# KiCad board SignalSnagger.kicad_pcb (continued)
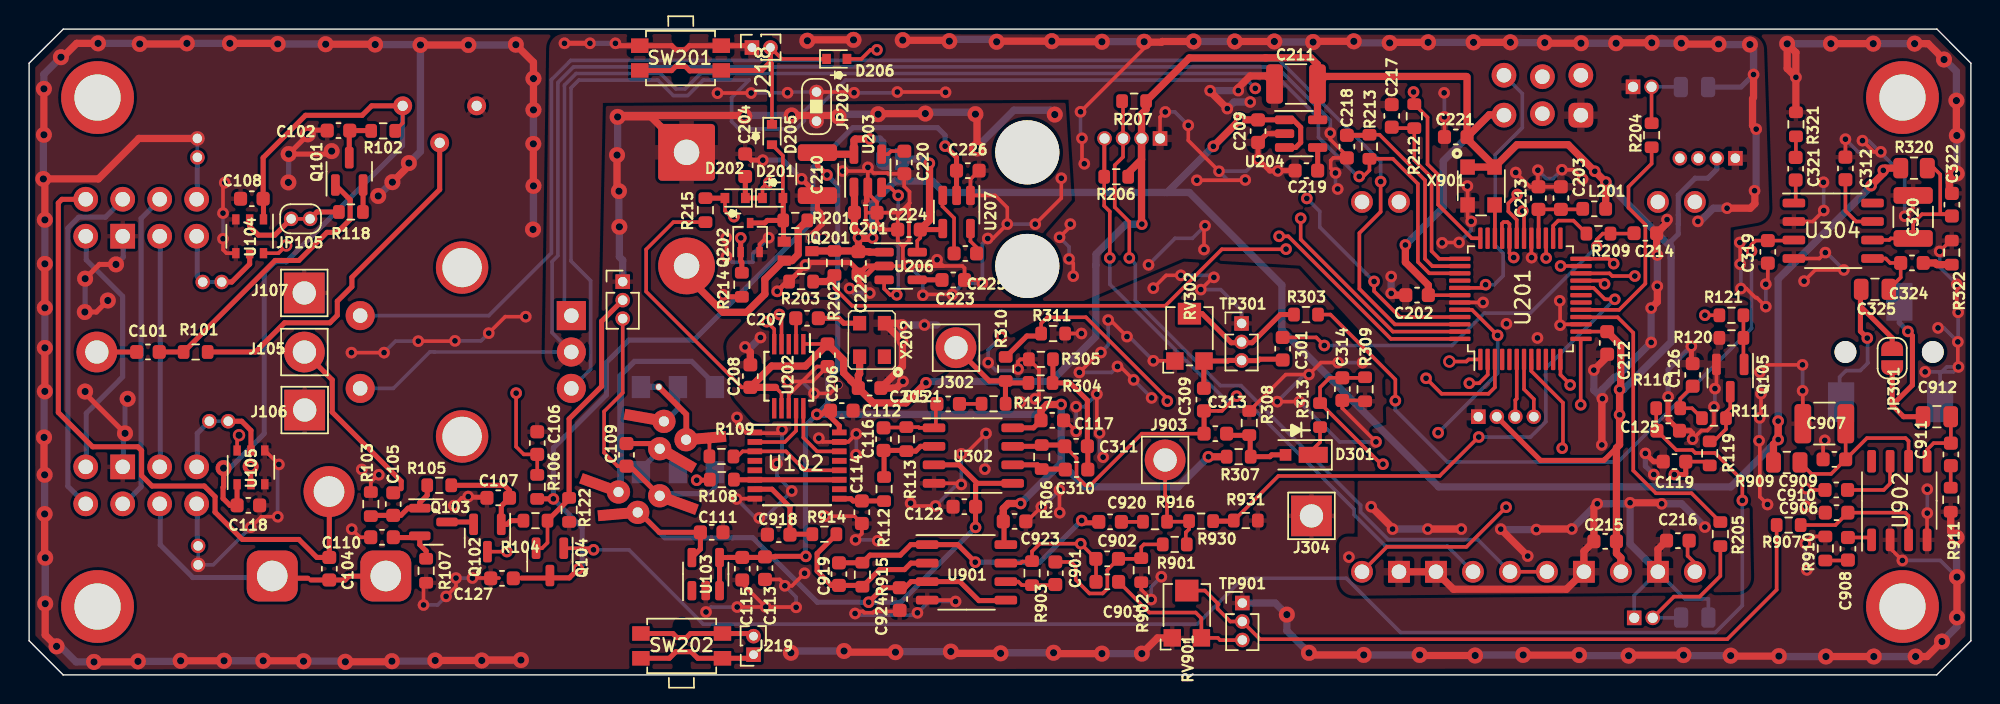
[diagram p0: board, top side]
## Library data of the parts (continued)
U203 U206 = -: Description: IC REG LINEAR 5.0V 150MA SOT23-5; Digi-Key Part No.: 296-20717-1-ND; Link: https://www.digikey.com/short/pr7whwn5; Manufacturer: Texas Instruments; Manufacturer PN: LP2985-50DBVR
U204 = -: Description: IC REG LINEAR 3.3V 150MA SOT23-5; Digi-Key Part No.: 296-18476-1-ND; Link: https://www.digikey.com/en/products/detail/texas-instruments/LP2985-33DBVR/809759; Manufacturer: Texas Instruments; Manufacturer PN: LP2985-33DBVR
U205 = -: Description: LCD MOD 40DIG 10X4 TRANSFLECTIVE; Digi-Key Part No.: 1481-1233-ND; Link: https://www.digikey.com/en/products/detail/display-visions/ea-dogs104w-a/8021520; Manufacturer: Display Visions; Manufacturer PN: EA DOGS104W-A
U207 = -: Description: IC REG CHARGE PUMP 2VIN SOT23-5; Digi-Key Part No.: MAX1683EUK+TCT-ND; Link: https://www.digikey.com/en/products/detail/analog-devices-inc-maxim-integrated/MAX1683EUK-T/1517985; Manufacturer: Analog Devices Inc./Maxim Integrated; Manufacturer PN: MAX1683EUK+T
U302 U901 = -: Description: IC CMOS 2 CIRCUIT 8SOIC; Digi-Key Part No.: 497-6618-1-ND; Link: https://www.digikey.com/en/products/detail/stmicroelectronics/TS912IDT/1040339?s=N4IgTCBcDaICoGUCcBGMBJAInEBdAvkA; Manufacturer: STMicroelectronics
U304 U902 = -: Description: IC AMP CLASS AB MONO 325MW 8SOIC; Digi-Key Part No.: LM386MX-1/NOPBCT-ND; Link: https://www.digikey.com/en/products/detail/texas-instruments/LM386MX-1-NOPB/212680; Manufacturer: Texas Instruments; Manufacturer PN: LM386MX-1/NOPB
X202 = -: Description: XTAL OSC TCXO 25.0000MHZ SNWV; Digi-Key Part No.: 1664-1273-1-ND; Link: https://www.digikey.com/products/en?keywords=1664-1273-1-ND; Manufacturer: Taitien; Manufacturer PN: TXETCLSANF-25.000000
X901 = -: Description: OSC TCXO 32.768KHZ 3.0V SMD; Digi-Key Part No.: 50-ECS-327TXO-30-CT-ND; Manufacturer: ECS Inc.

## Footprints (pads in the part's own frame, mm; a bottom-side part is the same pattern mirrored in y, then rotated)
69830-008LF
  round 1.7 hole 1: 1(0,0)
  oval 1.7x1.7 hole 1: 2(2.54,0) 4(2.54,-2.54) 5(0,-5.08) 6(2.54,-5.08) 7(0,-7.62) 8(2.54,-7.62)
  rect 1.7x1.7 hole 1: 3(0,-2.54)
69830-008LF#2
  round 1.7 hole 1: 1(0,0)
  oval 1.7x1.7 hole 1: 2(2.54,0) 3(0,-2.54) 5(0,-5.08) 6(2.54,-5.08) 7(0,-7.62) 8(2.54,-7.62)
  rect 1.7x1.7 hole 1: 4(2.54,-2.54)
C_0603_1608Metric
  rrect 0.9x0.95 smd: 1(-0.775,0) 2(0.775,0)
C_0805_2012Metric
  rrect 1x1.45 smd: 1(-0.95,0) 2(0.95,0)
C_1210_3225Metric
  rrect 1.15x2.7 smd: 1(-1.475,0) 2(1.475,0)
Coilcraft-PWB-4-CLC
  round 1.6 hole 0.7: 1(-1.43,1.82) 2(-6.42,-1.5) 2(-0.17,0.3) 3(-5.02,-2.82) 4(-5.28,0.01) 6(-2.05,0.01)
  rect 0.75x3 smd far side rot 5: 1(-1.33,3.07) 2(-6.52,-2.74)
  rect 1.837x0.395 smd far side: 1(-0.519,1.838)
  rect 0.403x2.892 smd far side rot 135: 1(1.28,0.87)
  rect 1.52x1.27 smd: 1(2.19,-1.28) 2(2.19,1.26) 3(2.19,3.8) 4(-3.66,3.8) 5(-3.66,1.26) 6(-3.66,-1.28)
  round 0.5 hole 0.4: 1(2.19,-0.05)
  rect 0.43x1.49 smd: 1(2.205,-0.765)
  rect 0.75x3 smd far side rot 170: 2(0.06,-0.94)
  rect 0.37x1.529 smd rot 45: 2(0.19,0.75) 3(3.46,-2.21) 6(-2.96,-0.78)
  rect 1.955x0.352 smd: 2(1.577,1.246)
  rect 0.75x3 smd far side rot 160: 3(-4.59,-3.99) 4(-5.73,1.16)
  rect 7.875x0.465 smd: 3(-0.877,-2.673)
  rect 0.352x1.955 smd rot 135: 3(3.32,2.84)
  rect 0.362x4.09 smd: 3(3.951,0.225)
  rect 0.37x3.078 smd: 4(-5.135,1.878)
  rect 0.292x0.811 smd rot 45: 4(-4.93,3.6)
  rect 1.529x0.37 smd: 4(-3.982,3.805)
  rect 0.75x3 smd far side rot 150: 6(-2.65,1.09)
Crystal_SMD_TXETCLSANF-4Pin
  rect 1x0.9 smd: 1(-1.15,-0.85) 2(1.15,-0.85) 3(1.15,0.85) 4(-1.15,0.85)
D_SOD-523
  rect 0.6x0.7 smd: 1(-0.7,0) 2(0.7,0)
DO-219AD
  rect 2x1.1 smd: 1(-1,0)
  rect 0.8x0.8 smd: 2(0.9,0)
EA_DOGS104X-A
  round 1.5 hole 1: 1(0,0) 2(0,-2.54) 9(0,-20.32) 10(0,-22.86) 11(25.4,-22.86) 13(25.4,-17.78) 15(25.4,-12.7) 16(25.4,-10.16) 17(25.4,-7.62) 20(25.4,0)
  rect 1.5x1.5 hole 1: 12(25.4,-20.32) 14(25.4,-15.24) 18(25.4,-5.08) 19(25.4,-2.54)
Jumper_THT-1x02_Bridged_Circular
  round 1 hole 0.65: 1(-0.65,0) 2(0.65,0)
Jumper_THT-1x02_Bridged_Circular#2
  round 1 hole 0.65: 1(-1,0) 2(1,0)
L_0603_1608Metric
  rrect 0.875x0.95 smd: 1(-0.787,0) 2(0.787,0)
LED_0805_2012Metric
  rrect 0.975x1.4 smd: 1(-0.938,0) 2(0.938,0)
MountingHole_3.2mm_M3
  round 5 hole 3.175: (0,0)
MSOP-10_3x3mm_P0.5mm
  rect 1.4x0.3 smd: 1(-2.2,1) 2(-2.2,0.5) 3(-2.2,0) 4(-2.2,-0.5) 5(-2.2,-1) 6(2.2,-1) 7(2.2,-0.5) 8(2.2,0) 9(2.2,0.5) 10(2.2,1)
Oscillator_SMD_ECS_327TXO
  rect 1x1.05 smd: 1(-0.925,1.3) 2(-0.925,-1.3) 3(0.925,-1.3) 4(0.925,1.3)
Pin_D1.6mm_L8.5mm_W2.8mm_FlatFork
  round 2.8 hole 1.6: 1(0,0)
Pin_D1.6mm_L8.5mm_W2.8mm_FlatFork#2
  rect 2.8x2.8 hole 1.6: 1(0,0)
PinHeader_1x03_P1.27mm_Vertical
  rect 1x1 hole 0.65: 1(0,0)
  oval 1x1 hole 0.65: 2(0,-1.27) 3(0,-2.54)
PinHeader_1x04_P1.27mm_Vertical
  rect 1x1 hole 0.65: 1(0,0)
  oval 1x1 hole 0.65: 2(0,-1.27) 3(0,-2.54) 4(0,-3.81)
PinHeader_2x03_P2.54mm_Vertical
  round 1.7 hole 1: 1(-0.1,0.1)
  oval 1.7x1.7 hole 1: 2(2.64,0.1) 3(0,-2.54) 4(2.54,-2.54) 5(-0.1,-5.18)
  rrect 1.7x1.7 hole 1: 6(2.64,-5.18)
PinSocket_1x02_P1.27mm_Vertical
  rect 1x1 hole 0.6: 1(0,0)
  oval 1x1 hole 0.6: 2(0,-1.27)
PinSocket_1x02_P1.27mm_Vertical#2
  rect 1x1 hole 0.7: 1(0,0)
  oval 1x1 hole 0.7: 2(0,-1.27)
PinSocket_1x04_P1.27mm_Vertical
  rect 1x1 hole 0.7: 1(0,0)
  oval 1x1 hole 0.7: 2(0,-1.27) 3(0,-2.54) 4(0,-3.81)
Potentiometer_Bourns_3362P_Vertical
  round 1.3 hole 0.7: 1(0,0) 2(2.54,2.54) 3(0,5.08)
Potentiometer_Bourns_TC33X_Vertical
  rect 1.2x1.2 smd: 1(-1.8,1) 3(-1.8,-1)
  rect 1.5x1.6 smd: 2(1.45,0)
R_0603_1608Metric
  rrect 0.8x0.95 smd: 1(-0.825,0) 2(0.825,0)
R_0805_2012Metric
  rrect 1.025x1.4 smd: 1(-0.912,0) 2(0.912,0)
RotaryEncoder_Bourns_PEC12R-Switch_Vertical_CircularMountingHoles
  rect 2x2 hole 1: A(-7.5,2.5)
  round 2 hole 1: B(-7.5,-2.5) C(-7.5,0) S1(7,2.5) S2(7,-2.5)
  round 3.6 hole 2.7: MP(0,-5.8) MP(0,5.8)
SO-8_3.9x4.9mm_P1.27mm
  rrect 1.55x0.6 smd: 1(-2.7,1.905) 2(-2.7,0.635) 3(-2.7,-0.635) 4(-2.7,-1.905) 5(2.7,-1.905) 6(2.7,-0.635) 7(2.7,0.635) 8(2.7,1.905)
SOIC-8_3.9x4.9mm_P1.27mm
  rrect 1.55x0.6 smd: 1(-2.7,1.905) 2(-2.7,0.635) 3(-2.7,-0.635) 4(-2.7,-1.905) 5(2.7,-1.905) 6(2.7,-0.635) 7(2.7,0.635) 8(2.7,1.905)
SolderJumper-2_P1.3mm_Open_RoundedPad1.0x1.5mm
  custom 1x1.5 smd: 1(-0.65,0) 2(0.65,0)
SolderWire-1sqmm_1x02_P7.8mm_D1.4mm_OD3.9mm_Relief
  round 4.4 hole 4.4 unplated: (0,-23.4) (7.8,-23.4)
  rrect 3.9x3.9 hole 1.75: 1(0,0)
  round 3.9 hole 1.75: 2(7.8,0)
SOT-23
  rrect 1.475x0.6 smd: 1(-0.938,0.95) 2(-0.938,-0.95) 3(0.938,0)
SOT-23-5
  rrect 1.325x0.6 smd: 1(-1.137,0.95) 2(-1.137,0) 3(-1.137,-0.95) 4(1.137,-0.95) 5(1.137,0.95)
SOT-323_SC-70
  rect 0.7x0.45 smd: 1(-1,0.65) 2(-1,-0.65) 3(1,0)
SOT-323_SC-70#2
  rect 0.9x0.7 smd: 1(-0.95,0.65) 2(-0.95,-0.65) 3(0.95,0)
SSOP-16_4.4x5.2mm_P0.65mm
  rect 1x0.4 smd: 1(-2.9,2.275) 2(-2.9,1.625) 3(-2.9,0.975) 4(-2.9,0.325) 5(-2.9,-0.325) 6(-2.9,-0.975) 7(-2.9,-1.625) 8(-2.9,-2.275) 9(2.9,-2.275) 10(2.9,-1.625) 11(2.9,-0.975) 12(2.9,-0.325) 13(2.9,0.325) 14(2.9,0.975) 15(2.9,1.625) 16(2.9,2.275)
SW_SPST_TL1014BF160QG
  round 0.001 hole 0.75 unplated: (0,1.375) (0,-1.375)
  rect 1.2x1 smd: 1(-2.8,0.85) 1(2.8,0.85) 2(-2.8,-0.85) 2(2.8,-0.85)
SWITCHCRAFT_35RASMT2BHSNTRX
  round 1.5 hole 1.5 unplated: (0,2.5) (0,8.5)
  rect 2.6x1.8 smd: 1(-3.45,4.8)
  rect 2.75x1.8 smd: 4(3.45,8.8) 5(3.45,2)
TQFP-48_7x7mm_P0.5mm
  rrect 1.475x0.3 smd: 1(-4.162,2.75) 2(-4.162,2.25) 3(-4.162,1.75) 4(-4.162,1.25) 5(-4.162,0.75) 6(-4.162,0.25) 7(-4.162,-0.25) 8(-4.162,-0.75) 9(-4.162,-1.25) 10(-4.162,-1.75) 11(-4.162,-2.25) 12(-4.162,-2.75) 25(4.162,-2.75) 26(4.162,-2.25) 27(4.162,-1.75) 28(4.162,-1.25) 29(4.162,-0.75) 30(4.162,-0.25) 31(4.162,0.25) 32(4.162,0.75) 33(4.162,1.25) 34(4.162,1.75) 35(4.162,2.25) 36(4.162,2.75)
  rrect 0.3x1.475 smd: 13(-2.75,-4.162) 14(-2.25,-4.162) 15(-1.75,-4.162) 16(-1.25,-4.162) 17(-0.75,-4.162) 18(-0.25,-4.162) 19(0.25,-4.162) 20(0.75,-4.162) 21(1.25,-4.162) 22(1.75,-4.162) 23(2.25,-4.162) 24(2.75,-4.162) 37(2.75,4.162) 38(2.25,4.162) 39(1.75,4.162) 40(1.25,4.162) 41(0.75,4.162) 42(0.25,4.162) 43(-0.25,4.162) 44(-0.75,4.162) 45(-1.25,4.162) 46(-1.75,4.162) 47(-2.25,4.162) 48(-2.75,4.162)
TSOP-6_1.65x3.05mm_P0.95mm
  rect 0.7x0.51 smd: 1(-1.16,0.95) 2(-1.16,0) 3(-1.16,-0.95) 4(1.16,-0.95) 5(1.16,0) 6(1.16,0.95)
VC07B
  rrect 3.5x3.5 hole 2.1: 1(0,-3.9) 1(0,3.9)
  oval 3.5x3.5 hole 2.1: 2(5.8,0)

## Nets
5V_Enable: U201.47 U203.3 U206.3
+3V3: C202.2 C205.2 C206.2 C208.1 C211.2 C212.2 C215.1 C221.2 J208.2 J209.2 L201.1 P201.2 R206.1 R207.1 R215.1 TP201.2 U201.14 U201.42 U202.1 U202.7 U204.5 U205.13 X202.4 X901.1 X901.4
+5V: C112.1 C113.1 C115.1 C117.1 C210.2 C923.1 JP201.2 R307.1 U102.16 U103.3 U103.4 U203.5 U302.8 U901.8
+10V: C108.1 C118.1 C119.1 C127.1 C226.1 Q104.3 R102.1 R106.1 R119.1 RV101.3 U104.1 U105.1 U207.2
GND: BT201.1 C102.2 C106.2 C107.2 C108.2 C110.2 C111.2 C112.2 C113.2 C114.2 C115.2 C117.2 C118.2 C122.2 C127.2 C201.1 C204.2 C210.1 C220.2 C222.1 C223.2 C224.1 C226.2 C312.1 C314.2 C319.2 C320.2 C322.2 C906.2 C907.2 C909.2 C910.1 C918.2 C923.2 C924.2 J102.4 J104.3 J106.1 J107.1 J301.5 J304.1 JP103.1 JP107.1 JP202.2 Q202.2 R103.2 R107.2 R122.2 R203.1 R214.1 R305.2 R308.2 R309.1 R311.2 R321.2 R322.2 R902.2 R910.2 R911.2 R931.2 RV101.1 RV102.1 RV302.1 RV901.1 TP301.1 TP901.1 U102.1 U102.8 U102.15 U103.2 U104.3 U104.4 U105.3 U105.4 U203.2 U206.2 U207.1 U302.4 U304.2 U304.4 U901.4 U902.2 U902.4
GNDD: C119.2 C125.1 C126.1 C202.1 C203.1 C205.1 C206.1 C208.2 C209.1 C211.1 C212.1 C213.2 C214.2 C215.2 C216.1 C217.2 C218.1 C219.2 C221.1 D203.1 D204.1 J203.1 J204.1 J208.1 J209.1 J218.1 J219.1 JP202.1 P201.6 Q105.2 R120.2 SW201.2 SW202.2 SW203.C SW203.S2 TP201.1 U201.15 U201.29 U201.43 U202.8 U204.2 U205.12 U205.14 U205.18 U205.19 X202.2 X901.2
Vbat: R202.1 R203.2 U201.27
+BATT: BT201.2 Q201.2 R201.1
+VSW: C201.2 C209.2 C222.2 Q201.3 R202.2 R320.1 R909.1 U203.1 U204.1 U204.3 U206.1
/Processor/DAC0: R209.1 U201.26
/Processor/PA0: J219.2 SW202.1 U201.44
/Processor/PA1: D206.2 U201.45
/Processor/PB0: U201.4
/Processor/PB1: U201.5
/Processor/PB5: U201.9
/Processor/PC4: R205.1 U201.16
/Processor/PC5: R204.1 U201.17
/Processor/PC6: U201.18
/Processor/PC7: U201.19
/Processor/PF2: R212.1 SW203.B U201.36
/Processor/PF3: C217.1 R212.2 U201.37
/Processor/PF4: C218.2 R213.2 U201.38
/Processor/PF5: R213.1 SW203.A U201.39
/Processor/PF6: U201.40
/Processor/RXD1: U201.11
/Processor/SCL1: J208.4 U201.7
/Processor/SDA1: J208.3 U201.6
/Processor/TXD1: U201.10
ASSI_FAR: U201.25
ASSI_NEAR: C314.1 R309.2 R313.2 U201.24
Audio I: R930.2 R931.1 U201.20
Audio Q: R310.2 R311.1 U201.21
Cardioid_Back: U105.6 U201.2
Cardioid_Front: U104.6 U201.1
Display_Reset: U201.8 U205.20
Encoder_switch: SW203.S1 U201.46
Headphone: C204.1 C325.1 D201.1 D202.1 J301.4 JP301.1
Headphone Detect: D202.2 R215.2 U201.48
I OUT: J903.1 R901.1 R916.2 R930.1
I_amped: C902.1 C903.1 R903.2 U201.22 U901.7
Power_enable: Q202.1 R214.2 U201.3
Processor Audio: C214.1 C301.1 R209.2
PWM: R121.2 U201.32 U201.33
Q OUT: J302.1 R117.2 R304.1 R310.1
Q_amped: C309.1 C311.1 C313.1 R306.2 U201.23 U302.7
QSD_CLK0: U102.14 U202.10
QSD_CLK1: U102.2 U202.9
RXD: J209.4 U201.31
SCL0: R206.2 TP201.4 U201.13 U202.4 U205.17
SDA0: R207.2 TP201.3 U201.12 U202.5 U205.15 U205.16
SenseSwitch: D205.1 D206.1 J218.2 SW201.1
TXD: J209.3 U201.30
Vref: C111.1 C122.1 C924.1 T101.2 U103.5 U302.3 U302.5 U901.3 U901.5
Net-(AE101-Pad1): C101.1 J108.1
Net-(AE102-Pad19): C105.1 J105.1
Net-(C101-Pad2): C101.2 Q101.1 R101.1
Net-(C102-Pad1): C102.1 Q101.3 R102.2
Net-(C103-Pad1): C103.1 C104.2 J104.6
Net-(C103-Pad2): C103.2 C104.1 J102.1
Net-(C105-Pad2): C105.2 Q103.1 R103.1 R105.2
Net-(C106-Pad1): C106.1 C109.1 R106.2 RV102.3 T101.4
Net-(C107-Pad1): C107.1 Q102.1 R104.2 R105.1
Net-(C109-Pad2): C109.2 Q102.3 T101.6
Net-(C110-Pad1): C110.1 Q103.2 R107.1
Net-(C114-Pad1): C114.1 R112.2 U102.9
Net-(C116-Pad1): C116.1 C121.1 R113.1 U302.1
Net-(C116-Pad2): C116.2 R112.1 R113.2 U302.2
Net-(C121-Pad2): C121.2 R117.1
Net-(C125-Pad2): C125.2 Q104.1 R110.1
Net-(C126-Pad2): C126.2 R110.2 R111.1
Net-(C203-Pad2): C203.2 C213.1 L201.2 U201.28
Net-(C207-Pad1): C207.1 X202.3
Net-(C207-Pad2): C207.2 U202.2
Net-(C216-Pad2): C216.2 U205.11
Net-(C219-Pad1): C219.1 U204.4
Net-(C220-Pad1): C220.1 U203.4
Net-(C223-Pad1): C223.1 U206.4
Net-(C224-Pad2): C224.2 JP201.1 U206.5 U207.4
Net-(C225-Pad1): C225.1 U207.3
Net-(C225-Pad2): C225.2 U207.5
Net-(C301-Pad2): C301.2 C309.2 RV302.3 TP301.3
Net-(C310-Pad1): C310.1 R306.1 U302.6
Net-(C310-Pad2): C310.2 C311.2 R304.2 R305.1
Net-(C312-Pad2): C312.2 U304.7
Net-(C313-Pad2): C313.2 D301.2 R307.2 R308.1
Net-(C319-Pad1): C319.1 R303.2 U304.3
Net-(C320-Pad1): C320.1 C322.1 R320.2 U304.6
Net-(C321-Pad1): C321.1 U304.1
Net-(C321-Pad2): C321.2 R321.1
Net-(C324-Pad1): C324.1 R322.1
Net-(C324-Pad2): C324.2 C325.2 U304.5
Net-(C901-Pad1): C901.1 R903.1 U901.6
Net-(C901-Pad2): C901.2 C902.2 R901.2 R902.1
Net-(C903-Pad2): C903.2 RV901.3 TP901.3
Net-(C906-Pad1): C906.1 R907.2 U902.3
Net-(C907-Pad1): C907.1 C909.1 R909.2 U902.6
Net-(C908-Pad1): C908.1 U902.1
Net-(C908-Pad2): C908.2 R910.1
Net-(C910-Pad2): C910.2 U902.7
Net-(C911-Pad1): C911.1 R911.1
Net-(C911-Pad2): C911.2 C912.2 U902.5
Net-(C912-Pad1): C912.1 J301.1 JP301.2
Net-(C918-Pad1): C918.1 R914.2 U102.7
Net-(C919-Pad1): C919.1 R914.1 R915.1 U901.2
Net-(C919-Pad2): C919.2 C920.1 R915.2 U901.1
Net-(C920-Pad2): C920.2 R916.1
Net-(D201-Pad2): D201.2 D205.2 Q201.1 Q202.3 R201.2
Net-(D203-Pad2): D203.2 J203.2 R204.2
Net-(D204-Pad2): D204.2 J204.2 R205.2
Net-(D301-Pad1): D301.1 R313.1
Net-(J102-Pad2): J102.2 J104.1
Net-(J102-Pad3): J102.3 J104.2
Net-(J102-Pad5): J102.5 J104.4
Net-(J102-Pad6): J102.6 J104.5
Net-(J102-Pad7): J102.7 JP103.2
Net-(J102-Pad8): J102.8 JP104.2
Net-(J104-Pad7): J104.7 JP106.2
Net-(J104-Pad8): J104.8 JP107.2
Net-(J909-Pad1): Q104.2 R104.1 R122.1 RV102.2
Net-(JP104-Pad1): JP104.1 U104.5
Net-(JP105-Pad1): JP105.1 R118.1
Net-(JP105-Pad2): JP105.2 U104.2 U105.2
Net-(JP106-Pad1): JP106.1 U105.5
Net-(P201-Pad1): P201.1 U201.41
Net-(Q101-Pad2): Q101.2 R118.2
Net-(Q102-Pad2): Q102.2 Q103.3
Net-(Q105-Pad1): Q105.1 R120.1 R121.1
Net-(Q105-Pad3): Q105.3 R111.2 R119.2
Net-(R101-Pad2): R101.2 RV101.2
Net-(R108-Pad1): R108.1 U102.6 U102.11
Net-(R108-Pad2): R108.2 T101.3
Net-(R109-Pad1): R109.1 U102.3 U102.12
Net-(R109-Pad2): R109.2 T101.1
Net-(R303-Pad1): R303.1 RV302.2 TP301.2
Net-(R907-Pad1): R907.1 RV901.2 TP901.2
Net-(U201-Pad34): U201.34 X901.3

Pads without a net: P201 3 4 5; SW203 MP; T101 5; U102 4 5 10 13; U103 1; U201 35; U202 3 6; U205 1 2 9 10; U304 8; U902 8; X202 1

## Via types
v1: diameter 0.8, hole 0.4, Top to Bottom, 317 vias
v2: diameter 1.1, hole 0.5, Top to Bottom, 127 vias
v3: diameter 0.6, hole 0.5, Top to Bottom, 3 vias
v4: diameter 0.85, hole 0.5, Top to Bottom, 3 vias

## Routing (per net, layer and track width the routed paths; a pad name or vN(x,y) marks a point on that pad's centre or on a via; arc(x,y) is an arc through that point)
5V_Enable: length 58.8
  Top w0.25: U206.3 58.72,26.52 59.14,26.1 v1(59.58,26.1) ; U203.3 59.13,33.48 v1(59.68,32.93) ; U201.47 93.66,23.58 87.33,29.91 v1(87.33,31.36)
  In2.Cu w0.25: v1(87.33,31.36) 87.33,31.39 79.06,39.65 67.37,39.65 60.64,32.93 v1(59.68,32.93)
  Bottom w0.25: v1(59.58,26.1) 59.68,26.2 v1(59.68,32.93)
+3V3: length 201.7
  Top w0.25: C208.1 48.95,19.75 42.38,26.32 42.38,29.22 44.25,31.09 R215.1 ; U202.7 51.67,19.33 51.26,19.75 ; U201.14 108.37,23.58 ; 54.83,22.72 53.18,22.72 ; U201.42 96.09,26.08
  Top w0.35: J208.2 103.8,14.73 108.14,14.73 108.23,14.82 ; 108.2,14.78 109.01,15.58
  Top w0.5: TP201.2 76.39,30.98 v1(76.42,30.96) ; TP201.2 76.39,35.39 75.48,34.47 ; TP201.2 76.39,38.52 76.71,38.83 R207.1 79.68,42.37 84.91,42.37 84.92,42.38 88.02,42.38 88.48,41.92 C211.2 ; C211.2 88.48,38.13 ; C211.2 89,41.1 98.7,41.1 ; U205.13 109.32,8.04 109.01,8.34 C215.1 109.01,15.58 109.23,15.8 v1(109.23,17.86) v1(109.23,19.59) 109.3,19.66 109.3,22.65 C212.2 ; v1(94.52,29.52) 94.52,28.34 96.09,26.77 C202.2 ; L201.1 108.27,33.84 v1(107.52,34.59) 105.7,36.41 102.17,36.41 X901.4 X901.1 ; 98.75,36.82 100.61,34.97 ; C205.2 56.42,20.23 56.42,20.26 55.93,20.75 55.93,21.62 54.83,22.72 53.32,21.21 50.99,21.21 C208.1 51.26,19.75 ; C205.2 57.96,18.68 60.21,18.68 v1(61.6,20.06) ; C205.2 56.95,20.58 57.04,20.67 X202.4 ; 98.75,41.08 C221.2 100.27,38.47 101.26,38.47
  Bottom w0.35: J209.2 115.9,34.73 115.29,34.11 114.42,34.11 113.26,32.95 113.26,31.6 113.26,31.59 113.26,30.95 113.26,30.94 113.26,30.27 112.77,29.78 112.77,28.65
  Bottom w0.5: P201.2 100.27,38.44 97.11,35.29 97.11,32.12 v1(94.52,29.52) ; v1(107.52,34.59) 107.54,34.59 v1(108.28,33.84) 112.77,29.36 112.77,22.87 109.48,19.59 v1(109.23,19.59) v1(109.23,17.86) ; v1(61.6,20.06) 61.69,20.16 70.18,20.16 73.26,23.23 73.26,28.13 73.27,28.14 73.27,28.89 75.33,30.96 v1(76.42,30.96)
+5V: length 93
  Top w0.35: v1(54.1,17.89) 54.42,17.89 54.67,18.15 C112.1 ; 50.5,8.06 47.97,8.06 47.96,8.06 U103.4 U103.3 ; v1(53.34,8.14) 51.23,8.14 51.2,8.11 C113.1 ; v1(54.8,34.33) 54.14,34.99 C210.2 ; C117.1 68.98,16.97 67.42,16.97 ; 54.99,18.11 54.99,17.75 55.64,17.11 U102.16 ; 66.95,8.94 66.95,10.49
  Top w0.5: v1(80.98,14.98) 82.23,14.98 ; v1(57.74,36.8) 56.73,36.8 56.64,36.71 U203.5 54.24,35.76 ; v1(68.1,11.77) 67.24,11.77 66.9,11.42 C923.1 ; v1(70.87,18.57) 69.9,18.57 69.49,18.16 C117.1
  Bottom w0.35: v1(54.8,34.33) 55.54,33.59 55.54,20.97 54.85,20.28 54.85,18.64 v1(54.1,17.89) 53.32,17.11 53.32,8.17 v1(53.34,8.14)
  Bottom w0.5: v1(57.74,36.8) 58.4,36.8 58.62,36.58 58.62,35.46 ; 70.87,14.55 v1(70.87,18.57) 69.9,18.57 69.23,17.89 v1(54.1,17.89) ; 70.87,14.55 v1(68.1,11.77) ; 70.87,14.55 72.51,12.91 78.92,12.91 v1(80.98,14.98)
+10V: length 219.8
  Top w0.25: 25.14,37.39 25.66,37.9 RV101.3 ; C119.1 115.2,14.64
  Top w0.35: 16.09,32.67 U104.1 ; 35.78,6.66 37.09,6.66 v1(37.72,7.28) ; v2(13.36,14.2) 13.36,12.92 13.32,12.88 13.32,12.12 13.8,11.64 C118.1 14.28,13.08 ; v1(62.9,36.31) 62.92,36.31 63.69,35.53 63.69,32.93 ; v1(112.98,13.76) 113.71,13.76 113.77,13.81 C119.1 ; Q104.3 35.59,6.65 33.82,6.65 ; RV101.3 23.52,39.08 22.87,38.43 18.98,38.43 16.07,35.52 C108.1 ; v1(36,12.09) 34.9,12.09
  In1.Cu w0.35: v1(112.98,13.76) 112.98,14.41 110.53,16.87 107.14,16.87 105.39,18.62 95.13,18.62 94.15,19.6 94.15,21.22 86.99,28.37 80.29,28.37 72.58,36.08 71.98,36.08 71.43,36.63 71.43,38.79 69.91,40.31 65.48,40.31 62.9,37.73 v1(62.9,36.31)
  In2.Cu w0.35: RV101.3 28.28,39.08 29.96,37.4 40.8,37.4 41.65,38.25 47.88,38.25 49.81,36.32 57.13,36.32 57.42,36.03 58.07,36.03 58.35,36.31 v1(62.9,36.31)
  Bottom w0.35: 25.64,39.07 25.64,36.35 17.66,28.37 16.89,28.37 16.14,27.63 16.14,16.57 13.78,14.2 v2(13.36,14.2) ; v1(37.72,7.28) 37.98,7.55 37.98,10.11 36.06,12.03 36.06,12.03 v1(36,12.09) 36,15.62 ; 36.02,15.59 39.64,19.22 39.64,21.46 41.17,22.99 45.64,22.99 53.83,31.17 53.83,34.84 56.57,37.58 62.39,37.58 62.9,37.06 v1(62.9,36.31)
GND: length 720
  Top w0.25: 50.09,12.1 48.61,12.1 v1(48.58,12.08) ; v1(118.85,17.65) 118.93,17.74 v1(118.93,19.31) ; v1(74.74,21.18) 74.93,21.18 v1(75.85,20.26) ; v1(31.56,23.47) 32.69,24.6 v1(34.11,24.6) ; C224.1 58.38,30.58 58.23,30.73 57.8,30.73 57.42,31.11 57.42,31.23 57.45,31.26 57.45,33.34 ; C224.1 58.74,30.58 58.23,31.09 C201.1 ; C224.1 59.65,31.58 60.46,32.4 ; v1(26.72,22.92) 29.22,22.92 v1(29.25,22.94) ; v1(117.51,28.21) 117.51,29.67 v1(117.48,29.7) ; v1(70.76,12.69) 70.76,11.16 v1(70.78,11.14) ; v1(123.24,31.89) 122.49,31.14 121.32,31.14 ; v1(47.89,28.73) 47.89,30 v1(47.88,30.02) ; C201.1 57.52,31.74 57.45,31.81 57.45,32.22 57.42,32.26 57.42,32.39 57.6,32.57 U203.2 57.6,34.84 v1(57.6,34.85) ; C201.1 59.8,31.74 60.46,32.4 ; C201.1 58.23,32.45 57.6,33.09 ; v1(30.16,12.25) 31.35,12.25 ; v1(119.39,11.7) 118.86,12.23 118.86,16.03 v1(118.8,16.08) ; v1(63.62,5.04) 63.53,5.14 61.8,5.14 ; v1(92.49,16) 90.18,18.31 C314.2 91.68,18.85 ; v1(132.5,21.15) 132.45,21.19 v1(132.45,22.87) ; R308.2 86.3,20.62 v1(87.89,20.62) 88.71,21.45 v1(89.9,21.45) ; v1(64.02,13.08) 63.93,13.16 62.27,13.16 ; v1(119.27,25.29) 118.65,25.91 118.55,25.91 117.93,26.53 v1(117.56,26.53) ; v1(75.39,23.23) 74.26,24.37 v1(74.11,24.37) ; v1(54.64,10.9) 56.68,10.9 C114.2 57.18,9.7 v1(56.76,9.27) ; 60.11,34.42 59,34.42 58.95,34.47 57.99,34.47 v1(57.6,34.85) ; v1(65.46,26.89) 65.23,27.12 C223.2 64.24,27.94 64.1,28.08 v1(60.41,28.08) ; 60.46,32.4 60.43,32.36 60.43,29.84 60.01,29.42 ; 60.46,32.4 60.46,33.17 60.1,33.54 60.1,34.41 ; v1(128.64,7.86) 127.8,8.7 ; v1(13.31,29.95) 13.31,29.2 13.55,28.96 U104.4 ; 27.08,6.14 v1(27.08,4.8) ; v1(17.08,10.86) 15.94,10.86 v1(15.22,10.14) ; v1(119.27,26.83) 119.4,26.97 119.4,28.28 ; v1(57.6,34.85) 57.35,34.6 v1(55.87,34.6) ; 59.71,4.36 58.05,4.36 57.96,4.27 57.35,4.27 57.26,4.36 56.87,4.36 v1(56.72,4.22) ; v1(65.83,29.97) 66.19,29.97 v1(67.17,30.96) 67.17,32.09 66.34,32.93 U207.1 64.64,34.03 C226.2 ; v1(128.81,31.5) 129.38,32.08 C320.2 ; v1(60.41,28.08) 60.01,28.48 60.01,29.42 ; v1(60.41,28.08) U206.2 ; v1(60.41,28.08) 62.79,28.08 v1(62.36,28.51) ; v1(22.13,22.13) v1(24.38,22.13) ; v1(22.16,10.01) 22.72,9.45 C110.2 ; v1(81.36,27.3) 81.3,27.3 v1(80.46,26.46) ; 71.14,17.48 v1(71.9,16.72) ; v1(118.86,20.8) 119.36,21.29 v1(121.79,21.29) ; R305.2 69.35,20.98 69.35,19.22 v1(69.09,18.95) ; R305.2 68.07,21.67 67.9,21.51 67.92,21.5 v1(67.92,21) ; R305.2 68.23,21.67 ; v1(121.98,9.03) 122.45,9.5 R910.2 ; v1(73.52,16.61) 73.33,16.8 v1(73.33,19.28) ; v1(121.89,27.04) 122.67,27.81 v1(124.62,27.81) ; v1(30.44,6.65) 32.27,6.65 ; v1(28.64,5.39) 29.31,6.07 v1(29.31,6.65) ; v1(123.36,29) 122.95,28.59 121.32,28.59 ; v1(60.54,11.79) 60.73,11.6 v1(62.24,11.6) ; 59.65,30.58 59.65,29.77 60.01,29.42 ; v1(70.89,34.11) 70.89,32.75 v1(69.1,30.96) ; v1(53.26,6.98) 52.39,6.12 v1(51.9,6.12) 51.9,6.2 51.55,6.55 C113.2 ; v1(132.38,26.82) 132.38,24.99 v1(132.48,24.9) ; v1(122.04,12.79) 122.12,12.7 C910.1 ; v1(127.17,35.92) 126.67,35.92 v1(125.9,36.69) ; 68.52,10.54 v1(69.52,11.54) ; C909.2 123.2,16 v1(123.32,16.11) ; v1(77.2,26.56) 78.08,27.44 v1(79.1,27.44) ; v1(54.23,16.26) 54.49,16 56.26,16 v1(56.8,16.55) ; R103.2 23.47,13.25 23.95,13.74 v1(24.02,13.74) ; C107.2 29.7,12.16 v1(29.17,11.62) ; v1(87.23,18.76) v1(85.71,18.76) ; R902.2 76.37,5.86 v1(77.06,5.17) ; v1(130.36,11.11) 130.34,11.09 130.34,9.39 ; 16.19,15.41 v1(17.15,14.45) ; v1(52.67,4.64) 52.65,4.66 v1(48.62,4.66) ; v1(121.8,19.51) 121.81,19.5 C907.2 ; v1(13.31,31.71) 13.31,33.68 v1(13.44,33.8) ; v1(124.73,36.79) C312.1 ; Q202.2 50.17,29.57 50.62,30.02 v1(50.79,30.02) ; v1(50.58,4.66) 48.97,6.27 ; v1(61.37,26.07) 61.43,26.13 v1(63.39,26.13) ; v1(72.12,20.77) 73.49,22.14 v1(73.61,22.14) ; v1(48.61,17.68) 48.61,17.24 49.26,16.6 51.46,16.6 v1(51.7,16.84) ; v1(65.71,16.58) 64.31,15.18 v1(64.03,15.18) ; 131.95,29.83 v1(131.21,29.08) ; 71.15,23.44 v1(72.27,23.44) ; v1(77.2,21.57) 78.67,21.57
  Top w0.35: R203.1 v1(53.32,28.14) 53.5,28.32 56.37,28.32 56.95,27.74 ; v1(50.39,35.35) 49.6,35.35 C204.2 ; 54.14,32.99 v1(53.05,34.07) ; v2(5.97,28.19) 4.83,28.19 v2(3.84,27.21) ; v1(57.73,26.22) 56.95,27 C222.1 57.55,27.52 58.11,28.08 U206.2 57.54,28.08 56.97,27.52 ; v2(3.83,24.92) 4.61,24.92 v2(5.41,25.71) ; 52.05,27.01 v1(51.37,26.34) ; v1(47.66,26.1) 47.8,25.97 R214.1 ; C210.1 54.14,31.99 54.48,31.65 54.48,30.96 53.67,30.15 v3(53.67,30.01) ; v2(6.58,16.59) 3.84,19.33 v2(3.84,19.46) ; v2(20.78,35.97) 20.58,35.77 v2(17.83,35.77) 19.14,37.08 v2(19.14,37.12) 19.42,37.41 20.44,37.41
  Top w0.5: v2(18.84,0.94) 18.81,0.97 v2(16.08,0.97) ; v2(20.36,43.31) 23.75,43.31 v2(23.77,43.29) ; v2(91.65,1.37) 88.04,1.37 v2(87.89,1.51) ; v2(109.85,1.32) 109.89,1.36 v2(113.61,1.36) ; JP103.1 7.53,36.84 4.75,34.06 v2(0.97,34.06) 1.08,33.95 v2(1.08,31.25) ; v2(1.08,25.21) v2(1.08,28.23) ; v2(7.47,0.93) 7.44,0.89 v2(4.45,0.89) ; v2(132.37,9.43) 131.96,9.83 R911.2 ; v2(64.99,38.51) 65.1,38.4 v2(65.1,36.15) ; v2(55.96,1.64) 56.05,1.56 v2(59.49,1.56) ; v2(10.41,0.97) v2(13.39,0.97) ; v2(116.86,1.32) 116.89,1.29 v2(120.17,1.29) ; v2(4.73,43.37) 3.27,43.37 2.31,42.42 v2(2.19,42.42) ; 131.87,33.19 131.87,34.39 131.9,34.43 v2(132.38,34.43) ; v2(17.08,43.33) 17.03,43.37 v2(13.78,43.37) ; v2(1.06,13.74) 1.03,13.78 v2(1.03,16.31) ; v2(24.92,0.94) 24.88,0.9 v2(21.72,0.9) ; v2(33.78,1.02) 31.11,1.02 v2(31.08,0.99) v2(27.89,0.99) ; v2(106.45,1.36) 102.61,1.36 v2(102.61,1.37) ; v2(129.56,1.26) 130.33,1.26 v2(131.37,2.29) ; v2(126.68,1.26) v2(123.39,1.26) ; v2(33.42,43.28) 34.64,42.07 v2(34.64,40.95) v2(34.64,38.8) 34.64,38.54 ; v2(132.36,39.44) 132.36,37.07 v2(132.38,37.04) ; v1(121.33,41.04) 120.73,41.64 v2(120.73,43.34) 121.33,42.74 v1(121.33,41.04) ; v1(121.33,41.04) R321.2 ; v2(70.36,1.52) 70.42,1.46 v2(73.67,1.46) ; v2(63.3,1.6) 63.42,1.48 v2(66.71,1.48) ; v2(52.36,38.42) 55.51,38.42 v2(55.58,38.34) ; v2(34.62,36.47) 34.62,33.59 v2(34.64,33.58) ; v2(131.5,42.26) 130.42,43.35 v2(129.49,43.35) ; v2(123.73,43.35) v2(126.64,43.35) ; v2(40.38,35.7) 40.38,33.35 v2(40.5,33.22) ; v2(26.88,43.26) v2(30.17,43.26) ; v2(1.89,1.96) 1.11,2.74 v2(1.11,4.89) ; v2(26.08,35.15) 26.08,34.97 v2(24.95,33.84) ; v2(1.02,37.09) v2(1.02,40.25) ; RV901.1 77.49,2.54 v2(76.42,1.46) ; v2(1.08,19.47) v2(1.08,22.46) ; v2(1.06,11.05) 1.06,8.08 v2(1.11,8.04) ; v2(10.83,43.37) 10.8,43.33 v2(7.59,43.33) ; v2(99.3,1.33) 95.54,1.33 v2(95.49,1.37) ; v2(49.11,38.37) 49.06,38.42 40.52,38.42 v2(40.42,38.32) 42.72,38.32 BT201.1 ; v2(61.55,38.55) 61.54,38.54 58.34,38.54 v2(58.3,38.5) ; v2(132.39,6.72) v2(132.39,3.95)
  In1.Cu w0.25: 18.92,18.92 v1(22.13,22.13) 22.13,22.99 J107.1
  Bottom w0.25: v1(75.39,23.23) 75.55,23.23 v1(77.2,21.57) ; v1(50.58,4.66) 52.65,4.66 v1(52.67,4.64) 52.67,5.34 v1(51.9,6.12) ; v1(48.62,4.66) 46.83,4.66 v1(46.48,4.32) ; v1(119.27,26.83) v1(119.27,25.29) ; v1(47.89,28.73) 48.29,28.34 49.71,28.34 49.71,28.94 v1(50.79,30.02) ; v1(67.17,30.96) v1(69.1,30.96) ; v1(22.84,14.11) 23.22,13.74 v1(24.02,13.74) ; v1(85.71,18.76) 87.57,20.62 v1(87.89,20.62) ; v1(48.58,12.08) 49.89,10.78 v1(50.14,10.78) 50.53,10.78 v1(52.37,12.63) 51.36,13.65 v1(51.36,14.5) 51.7,14.85 v1(51.7,16.84) ; v1(79.1,27.44) 81.23,27.44 v1(81.36,27.3) ; v1(29.25,22.94) 31.03,22.94 v1(31.56,23.47) ; v1(13.31,29.95) v1(13.31,31.71) ; v1(70.76,12.69) 69.61,11.54 v1(69.52,11.54) ; v1(132.48,24.9) 132.48,22.89 v1(132.45,22.87) 131.5,23.83 v1(131.1,23.83) ; v1(117.56,26.53) 117.56,28.15 v1(117.51,28.21) ; v1(131.21,29.08) 131.21,28 v1(132.38,26.82) ; JP107.1 12.64,7.56 v1(15.22,10.14) ; v1(65.64,14.13) 65.71,14.21 v1(65.71,16.58) ; v1(73.52,16.61) 73.52,15.19 v1(73.76,14.95) ; v1(123.24,31.89) 123.24,33.81 v1(123.23,33.83) ; v1(73.61,22.14) 74.11,22.64 v1(74.11,24.37) ; v1(28.64,5.39) 28.05,4.8 v1(27.08,4.8) ; v1(56.79,15.12) 56.8,15.14 v1(56.8,16.55) ; v1(69.09,18.95) 68.3,18.95 v1(68.08,18.74) ; v1(118.86,20.8) 118.86,19.38 v1(118.93,19.31) ; v1(30.44,6.65) v1(29.31,6.65) ; v1(62.24,11.6) 63.73,13.08 v1(64.02,13.08) 64.02,15.17 v1(64.03,15.18) ; v1(122.02,11.57) 122.04,11.58 v1(122.04,12.79) ; v1(26.72,22.92) 25.17,22.92 v1(24.38,22.13) ; v1(63.62,5.04) 61.79,5.04 v1(61.01,4.26) 60.85,4.1 56.84,4.1 v1(56.72,4.22) ; v1(67.92,21) 67.81,20.9 66.41,20.9 v1(65.86,21.44) 65.86,22.32 v1(66.77,23.22) ; TP301.1 83.27,25.02 81.83,26.46 v1(80.46,26.46) ; v1(73.33,19.28) 72.47,18.42 v1(71.9,18.42) v1(71.9,16.72) ; v1(65.83,29.97) 65.46,29.6 v1(65.46,26.89) 64.15,26.89 v1(63.39,26.13) ; v1(121.79,21.29) 121.8,21.28 v1(121.8,19.51) ; v1(17.15,14.45) 17.06,14.36 17.06,10.87 v1(17.08,10.86) ; v2(132.39,6.72) 131.25,7.86 v1(128.64,7.86) ; v1(118.85,17.65) 118.85,16.12 v1(118.8,16.08) ; v1(122.08,7.21) 121.98,7.32 v1(121.98,9.03) ; v1(58.27,9.21) 58.21,9.27 v1(56.76,9.27) ; v1(77.06,5.17) 77.06,6.04 v1(77.76,6.74) ; v1(87.23,18.76) 90,16 v1(92.49,16) ; v1(60.41,28.08) 61.37,27.11 v1(61.37,26.07) ; v1(127.17,35.92) 125.61,35.92 v1(124.73,36.79) ; v1(125.9,36.69) 126.32,36.69 128.81,34.2 v1(128.81,31.5) ; v1(91.58,21.44) 91.57,21.45 v1(89.9,21.45) ; v1(74.74,21.18) 74.33,20.77 v1(72.12,20.77) ; v1(75.85,20.26) v1(77.09,19.02) ; v1(130.21,20.81) 132.15,20.81 v1(132.5,21.15) 131.69,21.15 131.24,20.69 131.24,18.82 ; v1(123.36,29) 123.43,29 v1(124.62,27.81) ; v1(130.36,11.11) v1(130.36,12.75)
  Bottom w0.35: v2(17.8,33.82) 17.83,33.84 v2(17.83,35.77) ; 6.47,30.12 6.47,28.69 v2(5.97,28.19) ; v1(56.35,26.54) 56.67,26.22 v1(57.73,26.22) ; 6.47,14.23 6.47,16.47 v2(6.58,16.59) 6.58,18.78 v2(6.77,18.96) ; v3(53.67,30.01) 54.5,30.01 v3(54.52,30.02) ; v2(3.83,24.92) 3.84,24.94 v2(3.84,27.21) ; v1(50.39,35.35) 51.77,35.35 v1(53.05,34.07)
  Bottom w0.5: v2(64.99,38.51) 64.86,38.64 61.64,38.64 v2(61.55,38.55) ; v2(131.5,42.26) 131.54,42.26 132.36,41.44 v2(132.36,39.44) ; v2(7.47,0.93) 10.36,0.93 v2(10.41,0.97) ; v2(24.92,0.94) 27.83,0.94 v2(27.89,0.99) ; v2(0.97,34.06) 0.97,37.05 v2(1.02,37.09) ; v2(7.59,43.33) 7.55,43.37 v2(4.73,43.37) ; v2(1.11,8.04) v2(1.11,4.89) ; v2(40.38,35.7) 40.42,35.74 v2(40.42,38.32) ; v2(109.85,1.32) 106.48,1.32 v2(106.45,1.36) ; v2(76.42,1.46) v2(73.67,1.46) ; v2(4.45,0.89) 3.22,0.89 2.16,1.96 v2(1.89,1.96) ; v2(21.72,0.9) 21.67,0.94 v2(18.84,0.94) ; v2(120.73,43.34) 123.73,43.34 v2(123.73,43.35) ; v2(23.77,43.29) 26.84,43.29 v2(26.88,43.26) 26.88,35.94 v2(26.08,35.15) ; v2(132.37,9.43) 132.37,6.75 v2(132.39,6.72) ; v2(34.62,36.47) 34.64,36.48 v2(34.64,38.8) ; v2(66.71,1.48) 66.76,1.52 v2(70.36,1.52) ; v2(1.06,13.74) v2(1.06,11.05) ; v2(120.17,1.29) 120.2,1.26 v2(123.39,1.26) ; v2(34.61,30.59) 34.64,30.62 v2(34.64,33.58) ; v2(40.5,33.22) 40.5,30.8 v2(40.53,30.77) 40.53,28.71 40.77,28.48 RV102.1 ; v2(1.08,19.47) 1.03,19.41 v2(1.03,16.31) ; v2(132.39,3.95) 132.39,3.32 v2(131.37,2.29) ; v2(23.97,32.89) 24.92,33.84 v2(24.95,33.84) ; v2(10.83,43.37) v2(13.78,43.37) ; v2(99.3,1.33) 99.35,1.37 v2(102.61,1.37) ; v2(59.49,1.56) 59.54,1.6 v2(63.3,1.6) ; v2(113.61,1.36) 113.65,1.32 v2(116.86,1.32) ; v2(2.19,42.42) 1.02,41.25 v2(1.02,40.25) ; v2(126.64,43.35) v2(129.49,43.35) ; v2(1.08,28.23) v2(1.08,31.25) ; v2(49.11,38.37) 49.17,38.42 v2(52.36,38.42) ; v2(95.49,1.37) v2(91.65,1.37) ; v2(33.78,1.02) 33.75,0.99 v2(31.08,0.99) ; v2(17.08,43.33) 20.34,43.33 v2(20.36,43.31) ; v2(129.56,1.26) v2(126.68,1.26) ; v2(55.58,38.34) 55.75,38.5 v2(58.3,38.5) ; v2(1.08,22.46) v2(1.08,25.21) ; TP901.1 85.58,4.94 v2(86.37,4.14) 86.37,3.03 v2(87.89,1.51) ; v2(30.17,43.26) 33.41,43.26 v2(33.42,43.28) ; v2(132.38,37.04) 132.38,34.44 v2(132.38,34.43) ; v2(55.96,1.64) 52.43,1.64 v2(52.32,1.52) ; v2(13.39,0.97) v2(16.08,0.97) ; v2(65.1,36.15) 65.1,36.25 67.63,38.78 70.14,38.78 v2(70.43,38.48)
